# KiCad board gd rev3b.kicad_pcb (continued)
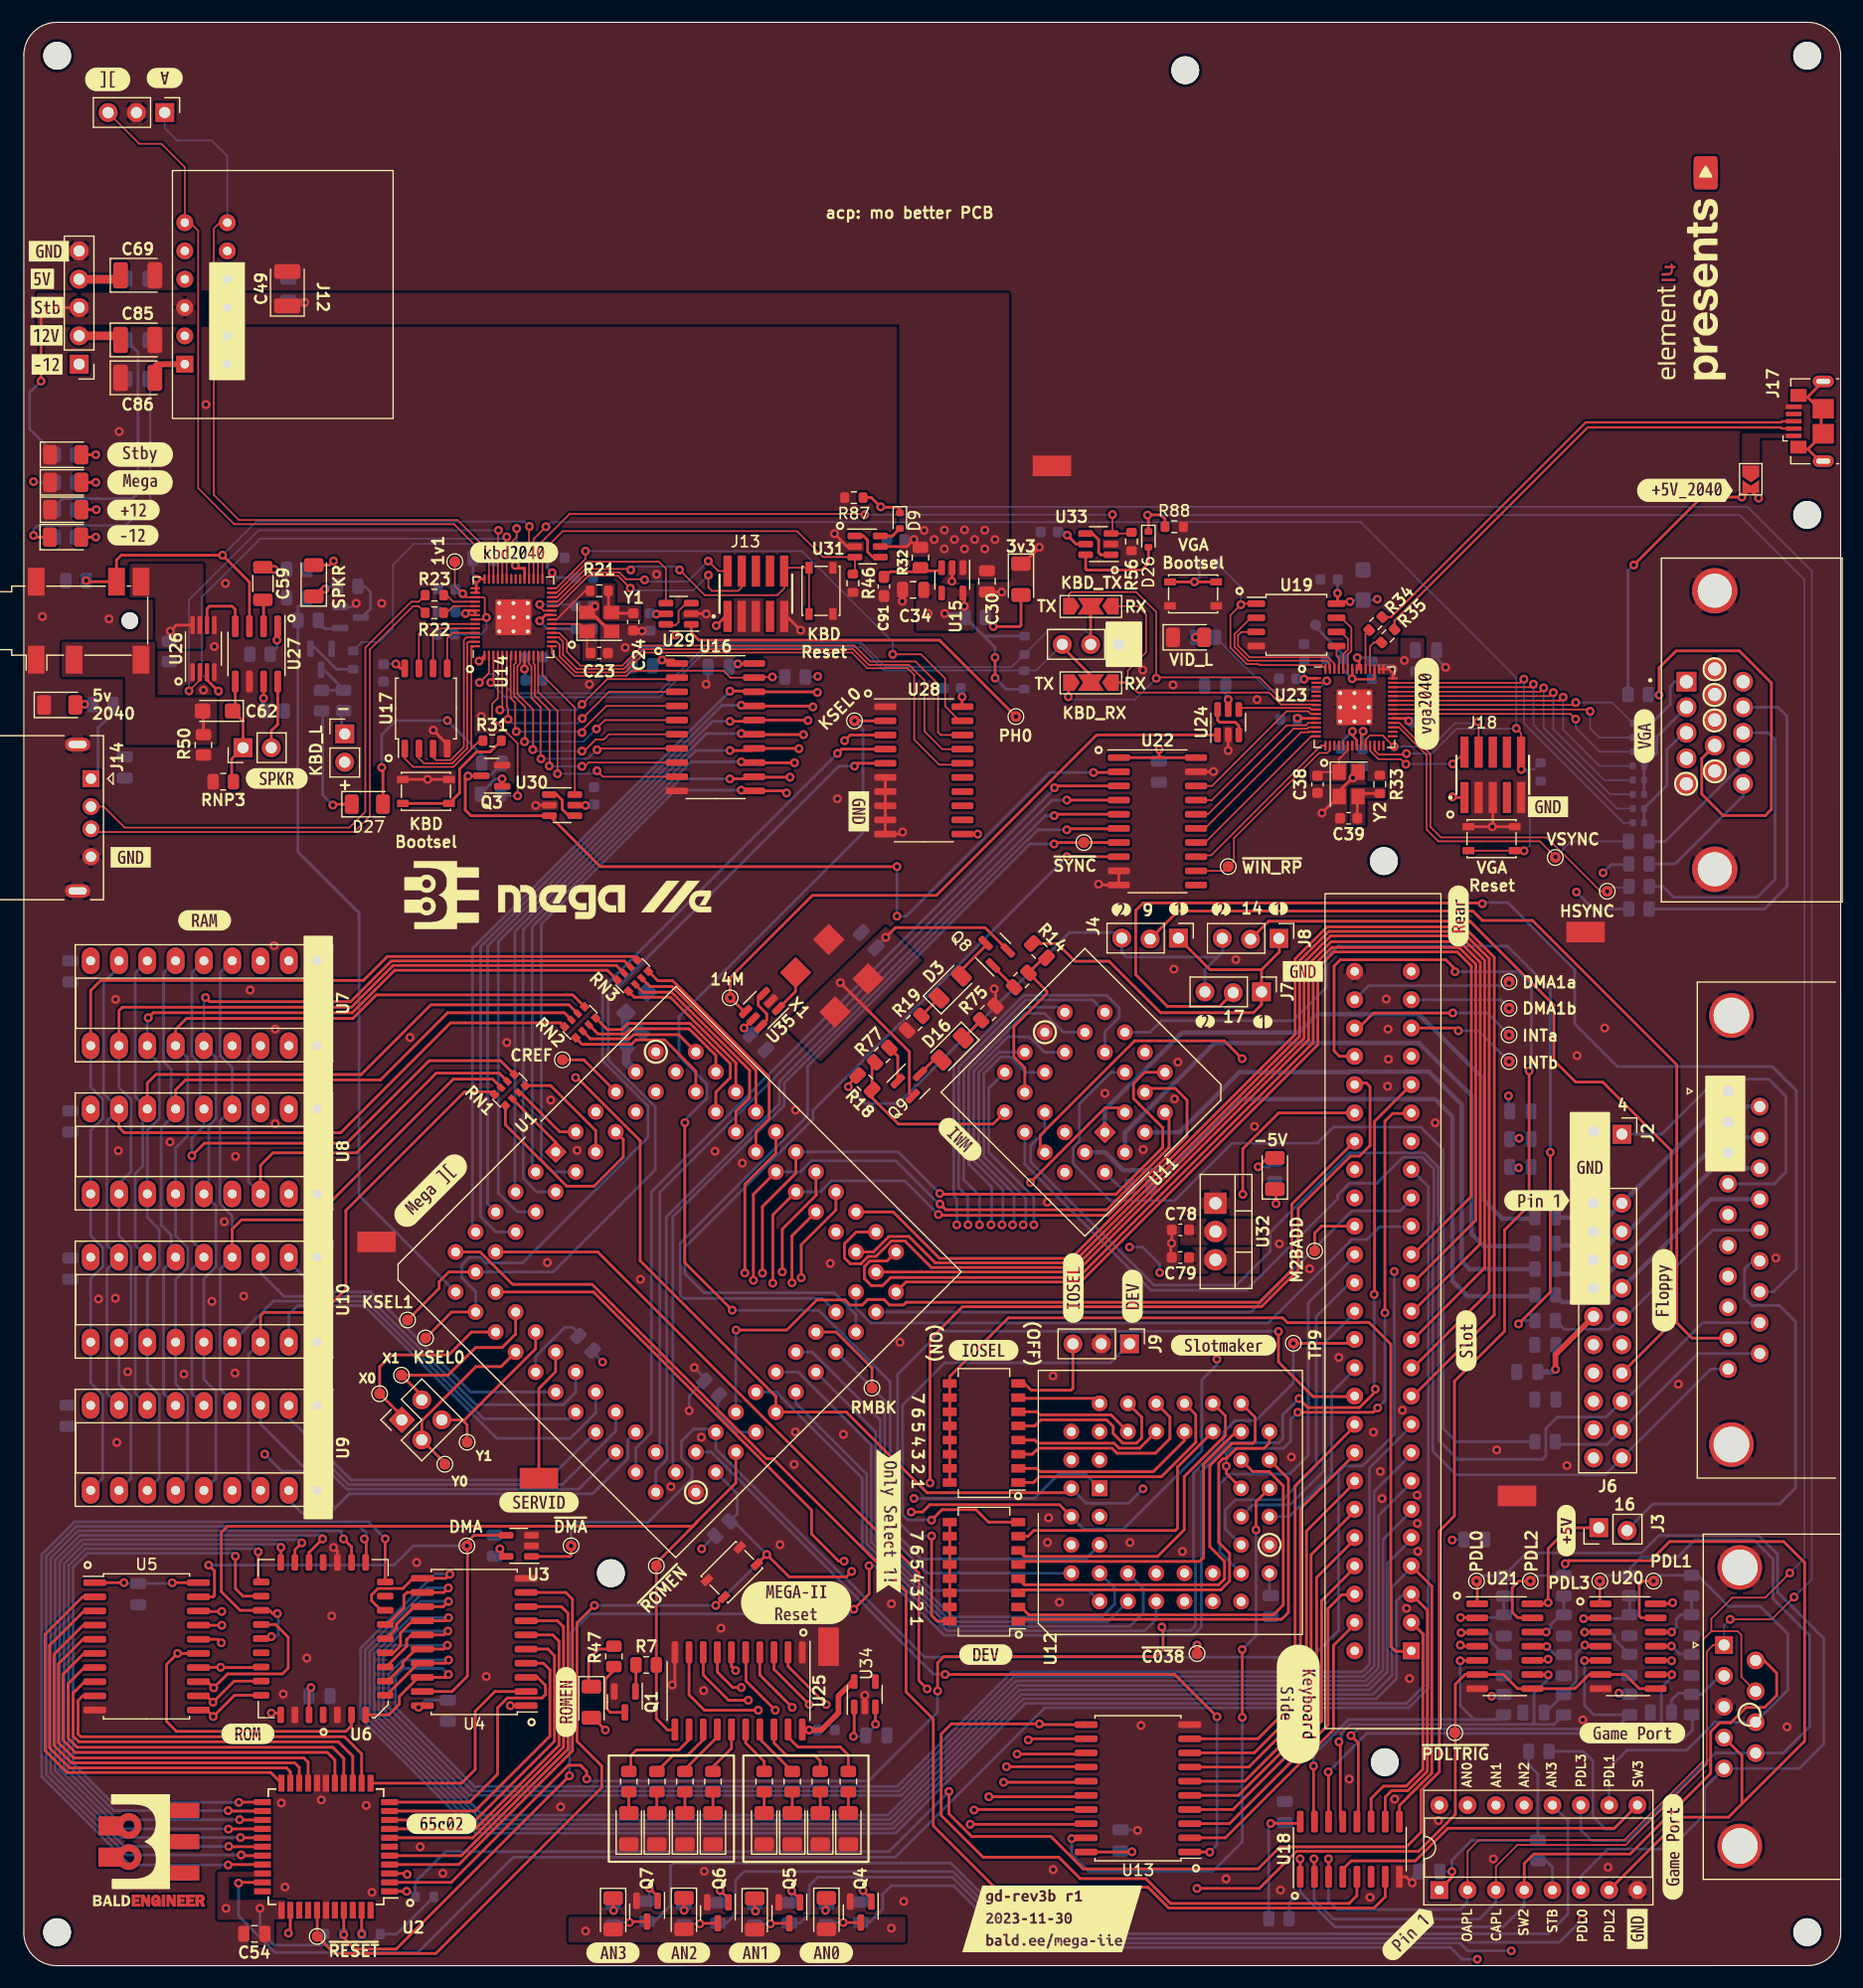
[diagram p0: board, top side]
## Placement (name value [footprint] x y rotation side) (continued)
R40  2k2  [R_0402_1005Metric]  144.87 105.1 180 bottom
R41  1k  [R_0402_1005Metric]  144.87 106.38 180 bottom
R42  470  [R_0402_1005Metric]  144.87 107.65 180 bottom
R43  2k2  [R_0402_1005Metric]  144.87 111.47 180 bottom
R44  1k  [R_0402_1005Metric]  144.87 110.2 180 bottom
R45  470  [R_0402_1005Metric]  144.87 108.93 180 bottom
R46  470  [R_0603_1608Metric]  74.39 124.05 270 top
R47  470  [R_0805_2012Metric]  52.94 27.75 270 top
R48  220  [R_0805_2012Metric]  29.07 123.76 0 bottom
R49  10k  [R_0805_2012Metric]  4.68 124.27 0 bottom
R50  150  [R_0805_2012Metric]  16.12 109.54 270 top
R51  4k7  [R_0805_2012Metric]  85.37 120.97 0 bottom
R52  4k7  [R_0805_2012Metric]  41.87 105.11 0 bottom
R53  4k7  [R_0805_2012Metric]  42 107.9 180 bottom
R54  100  [R_0805_2012Metric]  144.93 96.84 180 bottom
R55  100  [R_0805_2012Metric]  144.89 100.88 180 bottom
R56  470  [R_0603_1608Metric]  99.39 127.79 270 top
R57  4k7  [R_0805_2012Metric]  75.1 4.8 270 bottom
R58  4k7  [R_0805_2012Metric]  72.01 4.59 270 bottom
R59  1K  [R_0805_2012Metric]  144.07 23.44 270 bottom
R60  1K  [R_0805_2012Metric]  132.77 23.42 270 bottom
R61  4k7  [R_0805_2012Metric]  68.69 4.74 270 bottom
R62  100  [R_0805_2012Metric]  132.79 34.09 270 bottom
R63  100  [R_0805_2012Metric]  144.07 34.11 270 bottom
R64  4k7  [R_0805_2012Metric]  65.58 4.56 270 bottom
R65  4k7  [R_0805_2012Metric]  62.27 4.74 270 bottom
R66  4k7  [R_0805_2012Metric]  59.23 4.59 270 bottom
R67  4k7  [R_0805_2012Metric]  55.92 4.89 270 bottom
R68  1K  [R_0805_2012Metric]  149.63 23.44 270 bottom
R69  1K  [R_0805_2012Metric]  138.15 23.42 270 bottom
R70  100  [R_0805_2012Metric]  149.63 34.11 270 bottom
R71  100  [R_0805_2012Metric]  138.17 34.09 270 bottom
R72  4k7  [R_0805_2012Metric]  52.88 4.57 270 bottom
R73  1K  [R_0603_1608Metric]  106.28 125.8 0 bottom
R74  1k  [R_0805_2012Metric]  54.28 16.52 270 top
R75  1k  [R_0805_2012Metric]  86.53 85.48 225 top
R76  4k7  [R_0805_2012Metric]  89.49 88.45 225 top
R77  4k7  [R_0805_2012Metric]  77.01 81.71 45 top
R78  1k  [R_0805_2012Metric]  66.43 16.52 270 top
R79  4k7  [R_0603_1608Metric]  136.1 107.12 270 bottom
R80  1k  [R_0805_2012Metric]  28.7 113.53 90 bottom
R81  1k  [R_0805_2012Metric]  56.8 16.52 270 top
R82  1k  [R_0805_2012Metric]  68.94 16.52 270 top
R83  4k7  [R_0805_2012Metric]  112.25 71.28 90 bottom
R84  10k  [R_0603_1608Metric]  29.55 117.15 90 bottom
R85  1k  [R_0805_2012Metric]  59.32 16.52 270 top
R86  1k  [R_0805_2012Metric]  71.46 16.52 270 top
R87  100k  [R_0603_1608Metric]  74.48 131.73 180 top
R88  100k  [R_0603_1608Metric]  103.22 129.11 0 top
R89  1k  [R_0805_2012Metric]  61.83 16.52 270 top
R90  1k  [R_0805_2012Metric]  73.98 16.52 270 top
R91  1k  [R_0805_2012Metric]  26.71 113.51 90 bottom
R92  4k7  [R_0805_2012Metric]  112.61 4.22 0 bottom
R93  4k7  [R_0805_2012Metric]  135.93 19.23 0 bottom
RDNP1  4k7  [R_0603_1608Metric]  89.79 118.48 270 bottom
RDNP2  4k7  [R_0603_1608Metric]  89.76 115.37 90 bottom
REF**  -  [MountingHole_2.5mm]  104.21 170.08 0 top
Ref**  Val**  [e14presents logo 20mm silk and copper v1]  149.05 151.55 90 top
REF**#2  -  [MountingHole_2.5mm]  160.01 130.18 0 top
RN1  100  [R_Array_Convex_4x0612]  43.61 78.57 135 top
RN2  100  [R_Array_Convex_4x0612]  49.92 84.65 135 top
RN3  100  [R_Array_Convex_4x0612]  54.64 88.84 135 top
RNP1  4k7  [R_0805_2012Metric]  144.91 94.82 180 bottom
RNP2  4k7  [R_0805_2012Metric]  144.91 98.86 180 bottom
RNP3  1k  [R_0805_2012Metric]  17.9 106.24 180 top
svg2mod  G***  [BE10v2]  6.22 15.33 0 top
SW1  MEGA RESET  [SW_SPST_PTS810]  63.53 35.31 45 top
SW2  DEV  [SW_DIP_SPSTx08_Slide_Omron_A6H-8101_W6.15mm_P1.27mm]  86.15 35.36 180 top
SW3  IOSEL  [SW_DIP_SPSTx08_Slide_Omron_A6H-8101_W6.15mm_P1.27mm]  86.15 47.8 180 top
SW4  KBD RESET  [SW_SPST_PTS810]  71.52 123.36 270 top
SW5  KBD Boot Sel  [SW_SPST_PTS810]  36.08 105.36 0 top
SW6  VGA Boot Sel  [SW_SPST_PTS810]  104.91 123.09 180 top
SW7  VGA RESET  [SW_SPST_PTS810]  131.69 101.13 0 top
TP1  TestPoint  [TestPoint_Pad_D1.0mm]  141.4 34.51 180 top
TP2  TestPoint_Harwin  [TestPoint_Pad_D1.0mm]  56.75 35.88 0 top
TP3  TestPoint  [TestPoint_Pad_D1.0mm]  76.1 51.83 225 top
TP4  TestPoint  [TestPoint_Pad_D1.0mm]  133.26 88.29 90 top
TP5  TestPoint  [TestPoint_Pad_D1.0mm]  133.26 83.52 90 top
TP6  TestPoint  [TestPoint_Pad_D1.0mm]  133.26 81.14 90 top
TP7  TestPoint  [TestPoint_Pad_D1.0mm]  133.26 85.9 90 top
TP8  TestPoint  [TestPoint_Pad_D1.0mm]  115.82 64.14 90 top
TP9  TestPoint  [TestPoint_Pad_D1.0mm]  113.91 55.85 90 top
TP10  TestPoint  [TestPoint_Pad_D1.0mm]  36.05 56.32 315 top
TP11  TestPoint  [TestPoint_Pad_D1.0mm]  34.43 57.94 315 top
TP12  TestPoint  [TestPoint_Pad_D1.0mm]  31.93 51.33 315 top
TP13  TestPoint  [TestPoint_Pad_D1.0mm]  33.89 52.99 315 top
TP14  TestPoint  [TestPoint_Pad_D1.0mm]  37.78 45 315 top
TP15  TestPoint  [TestPoint_Pad_D1.0mm]  39.78 46.98 315 top
TP16  TestPoint  [TestPoint_Pad_D1.0mm]  105.27 28.01 90 top
TP17  TestPoint  [TestPoint_Pad_D1.0mm]  74.53 111.7 90 top
TP18  TestPoint  [Harwin-S1751-46-Test-Point]  46.22 43.75 0 top
TP19  TestPoint  [TestPoint_Pad_D1.0mm]  95.11 100.78 225 top
TP20  TestPoint  [TestPoint_Pad_D1.0mm]  89.01 112.08 225 top
TP21  TestPoint  [TestPoint_Pad_D1.0mm]  63.38 86.85 135 top
TP22  TestPoint_Harwin  [TestPoint_Pad_D1.0mm]  108.06 98.62 270 top
TP23  TestPoint_Harwin  [TestPoint_Pad_D1.0mm]  137.41 99.44 270 top
TP24  TestPoint_Harwin  [TestPoint_Pad_D1.0mm]  142.07 96.41 270 top
TP25  TestPoint  [TestPoint_Pad_D1.0mm]  26.33 2.63 0 top
TP26  TestPoint  [TestPoint_Pad_D1.0mm]  49.1 37.67 90 top
TP27  TestPoint  [TestPoint_Pad_D1.0mm]  39.75 37.67 90 top
TP28  TestPoint  [TestPoint_Pad_D1.0mm]  130.34 34.51 180 top
TP29  TestPoint  [TestPoint_Pad_D1.0mm]  146.23 34.51 180 top
TP30  TestPoint  [TestPoint_Pad_D1.0mm]  135.16 34.51 180 top
TP31  TestPoint  [TestPoint_Pad_D1.0mm]  128.39 20.91 180 top
TP32  TestPoint  [TestPoint_Pad_D1.0mm]  48.33 81.28 0 top
TP33  TestPoint  [TestPoint_Pad_D1.0mm]  38.67 125.98 0 top
TP34  TestPoint  [Harwin-S1751-46-Test-Point]  140.12 92.75 0 top
TP35  TestPoint  [Harwin-S1751-46-Test-Point]  31.65 64.95 0 top
TP36  TestPoint  [Harwin-S1751-46-Test-Point]  72.2 28.63 90 top
TP37  TestPoint  [Harwin-S1751-46-Test-Point]  133.97 42.15 0 top
TP38  TestPoint  [Harwin-S1751-46-Test-Point]  92.25 134.58 0 top
TP39  TestPoint  [TestPoint_Pad_D1.0mm]  115.9 120.3 180 bottom
U1  Apple_MEGA_II  [PLCC-84_THT-Socket]  47.72 73.02 45 top
U2  w65c02s  [TQFP-44_10x10mm_P0.8mm]  27.11 10.68 180 top
U3  74LVC1G02  [SOT-23-5]  44.41 37.67 180 top
U4  74HC245  [SOIC-20W_7.5x12.8mm_P1.27mm]  40.41 29.05 180 top
U5  74HC245  [SOIC-20W_7.5x12.8mm_P1.27mm]  11.01 28.66 0 top
U6  AT28C256-PLCC  [PLCC-32_11.4x14.0mm_P1.27mm]  26.86 29.35 180 top
U7  DRAM64KX4  [DIP-18_W7.62mm_Socket_LongPads]  26.32 90.17 270 top
U8  DRAM64KX4  [DIP-18_W7.62mm_Socket_LongPads]  26.32 76.87 270 top
U9  DRAM64KX4  [DIP-18_W7.62mm_Socket_LongPads]  26.32 50.27 270 top
U10  DRAM64KX4  [DIP-18_W7.62mm_Socket_LongPads]  26.32 63.57 270 top
U11  IWM  [PLCC-28_THT-Socket]  97 74.78 225 top
U12  Slotmaker  [PLCC-44_THT-Socket]  96.52 42.84 90 top
U13  74HC245  [SOIC-20W_7.5x12.8mm_P1.27mm]  99.96 15.92 180 top
U14  RP2040  [RP2040-QFN-56]  43.93 120.99 90 top
U15  MIC5504-3.3YM5  [SOT-23-5]  83.3 124.3 270 top
U16  74HC245  [SO-20_5.3x12.6mm_P1.27mm]  62.06 111.13 0 top
U17  W25Q128JVS  [SOIC-8_5.23x5.23mm_P1.27mm]  36.08 112.8 90 top
U18  HCT251  [SOIC-16_3.9x9.9mm_P1.27mm]  118.97 10.46 90 top
U19  W25Q128JVS  [SOIC-8_5.23x5.23mm_P1.27mm]  114.18 120.31 0 top
U20  NE556  [SO-14_3.9x8.65mm_P1.27mm]  143.94 28.67 0 top
U21  NE556  [SO-14_3.9x8.65mm_P1.27mm]  132.88 28.67 0 top
U22  74HCT245  [SO-20_5.3x12.6mm_P1.27mm]  101.71 102.68 0 top
U23  RP2040  [RP2040-QFN-56]  119.39 112.92 0 top
U24  74LVC2G04  [SOT-23-6]  108.06 111.57 90 top
U25  SN74LVC573ANS  [SO-20_5.3x12.6mm_P1.27mm]  64.13 24.66 270 top
U26  MCP4541T  [MSOP-8_3x3mm_P0.65mm]  16.12 118.18 90 top
U27  LM4875  [SOIC-8_3.9x4.9mm_P1.27mm]  20.88 117.7 270 top
U28  SN74LVC573ANS  [SO-20_5.3x12.6mm_P1.27mm]  80.76 107.25 0 top
U29  74LVC2G04  [SOT-23-6]  58.75 121.31 180 top
U30  74LVC2G04  [SOT-23-6]  48.3 104.13 0 top
U31  74LVC2G04-2040  [SOT-23-6]  75.71 127.34 0 top
U32  LM7905_TO220  [TO-220-3_Vertical]  106.92 68.42 270 top
U33  74LVC2G04-2040  [SOT-23-6]  96.41 127.56 180 top
U34  MIC5504-3.3YM5  [SOT-23-5]  75.45 24.36 90 top
U35  74LVC2G04  [SOT-23-6]  66.23 85.75 225 top
X1  14.31818MHz  [Oscillator_SMD_EuroQuartz_XO91-4Pin_7.0x5.0mm]  72.5 88.83 135 top
Y1  ECS-120-18-33-JEM-TR  [Crystal_SMD_3225-4Pin_3.2x2.5mm]  51.63 120.57 0 top
Y2  ECS-120-18-33-JEM-TR  [Crystal_SMD_3225-4Pin_3.2x2.5mm]  118.87 106 270 top

## Library data of the parts
C1-C3 C7-C11 C54 C58-C61 C63 C65 C75 = -: Description: Unpolarized capacitor, small symbol
C4 C6 C20-C34 C36-C43 C45 C46 C48 C50 C57 C64 C66-C68 C76 C77 C82 C91 C92 = -: Description: Unpolarized capacitor
C5 C35 C62 = -: Description: Polarized capacitor, small symbol; MPN: T520A107M006ATE035
C12-C19 C44 C47 C51-C53 C55 C56 C70-C74 C78-C81 C83 C84 = -: Description: Unpolarized capacitor, small symbol with 0805 Footprint
C49 C69 C85 C86 = -: Description: Polarized capacitor, small symbol; MFN: 20TQC100MD2
C87-C90 = -: Description: Unpolarized capacitor, small symbol; MFN: GRM21BR61E475K?A12L
D1-D8 D10-D25 D27 = -: Description: Diode, small symbol 1206
D9 D26 = -: Description: Schottky diode, small symbol; Sim.Device: D; Sim.Pins: 1=K 2=A
H1-H7 = -: Description: Mounting Hole without connection
J1 = -: Description: Generic connector, double row, 02x02, odd/even pin numbering scheme (row 1 odd numbers, row 2 even numbers), script generated (kicad-library-utils/schlib/autogen/connector/)
J2 J3 J19 J24 = -: Description: Generic connector, single row, 01x02, script generated (kicad-library-utils/schlib/autogen/connector/)
J4 J7-J9 J16 J21 = -: Description: Generic connector, single row, 01x03, script generated (kicad-library-utils/schlib/autogen/connector/)
J5 = -: Description: Generic connector, single row, 01x19, script generated (kicad-library-utils/schlib/autogen/connector/)
J6 = -: Description: Generic connector, double row, 02x10, odd/even pin numbering scheme (row 1 odd numbers, row 2 even numbers), script generated (kicad-library-utils/schlib/autogen/connector/)
J10 = -: Field4: My Libraries:Amp_2358256-4_50pos_right_angle_card; New MFN: EBC25DCWN
J11 = -: Description: Generic connector, double row, 02x08, counter clockwise pin numbering scheme (similar to DIP packge numbering), script generated (kicad-library-utils/schlib/autogen/connector/)
J12 = -: Description: Generic connector, double row, 02x06, odd/even pin numbering scheme (row 1 odd numbers, row 2 even numbers), script generated (kicad-library-utils/schlib/autogen/connector/)
J13 J18 = -: MANUFACTURER: Samtec; PARTREV: H; STANDARD: Manufacturer Recommendation
J14 = -: Description: USB Type A connector; MPN: USB1125-GF-B; SPN: 86AH2018
J15 = -: Description: Generic connector, single row, 01x05, script generated (kicad-library-utils/schlib/autogen/connector/)
J17 = -: Description: USB Micro Type B connector
J20 = -: MFG: Tensility International Corp; MPN: 54-00178
J22 = -: Description: 15-pin female D-SUB connector, High density (3 columns), Triple Row, Generic, VGA-connector, Mounting Hole
J23 = -: Description: 9-pin female D-SUB connector, Mounting Hole
JP1 = -: Description: Jumper, 3-pole, both open; Field4: 3; Field5: 1
JP2 = -: Description: Jumper, 3-pole, both open; Field4: 1; Field5: 3
JP3 = -: Description: Jumper, 2-pole, open
Q1 Q2 Q4-Q7 Q10 = -: Description: NPN transistor, base/emitter/collector
Q3 = -: Description: 0.8A Ic, 45V Vce, NPN Transistor, SOT-23
Q8 Q9 = -: Description: -0.2A Ic, -40V Vce, Small Signal PNP Transistor, SOT-23
R1-R20 R24-R30 R32 R36 R37 R47-R55 R57-R72 R74-R78 R80-R86 R89-R93 RNP1-RNP3 = -: Description: Resistor, small symbol with 0805 Package
R21-R23 R31 R33-R35 R38-R45 R73 = -: Description: Resistor
R46 R56 R79 R87 R88 RDNP1 RDNP2 = -: Description: Resistor, small symbol
RN1-RN3 = -: Description: 4 resistor network, parallel topology; MFN: EXB-38V101JV
SW1 SW4-SW7 = -: Description: Push button switch, generic, two pins
SW2 SW3 = -: Description: 8x DIP Switch, Single Pole Single Throw (SPST) switch, small symbol; SPN: 11N5429; Supplier: Newark
TP1-TP39 = -: Description: test point
U1 = -: MFN: 940-44-084-24-000000; SPN: 84K7212; Supplier: Newark US
U2 = -: Description: pinout for the 44pin QFP
U3 = -: Description: Single NOR Gate, Low-Voltage CMOS; MFN: SN74LVC1G02DBVT
U4 U5 U13 = -: Description: Octal Bus Transceiver (aka 74LS245)
U6 = -: Description: EEPROM 256 KiBit
U15 U34 = -: Description: 300mA Low-dropout Voltage Regulator, Vout 3.3V, Vin up to 5.5V, SOT-23
U16 U22 = -: Description: Octal BUS Transceivers, 3-State outputs
U17 U19 = -: Description: 128Mb Serial Flash Memory, Standard/Dual/Quad SPI, SOIC-8; MFN: W25Q128JVSIM TR; SPN: W25Q128JVSIMTR-ND
U18 = -: MPN: 74HCT251D,652; SPN: 85X2828
U20 = -: Description: Dual Precision Timers, DIP-14/SOIC-14; SPN: 32AH8454
U21 = -: Description: Dual Precision Timers, DIP-14/SOIC-14
U24 U29-U31 U33 U35 = -: Description: Dual NOT Gate, Low-Voltage CMOS
U25 U28 = -: Description: 8-bit Latch 3-state outputs
U32 = -: Description: Negative 1A 35V Linear Regulator, Fixed Output 5V, TO-220
X1 = -: Description: HCMOS Clock Oscillator; MPN: MCSJK-6NC1-14.31818-25-B; SPN: 56AC8675
Y1 Y2 = -: Description: Four pin crystal, GND on pins 2 and 4; Old PN: ABLS-12.000MHZ-B4-T

## Footprints (pads in the part's own frame, mm; a bottom-side part is the same pattern mirrored in y, then rotated)
AMPHENOL_L77HDE15SD1CH4F
  round 4.066 hole 3.05: 0(-12.495,0) 0(12.495,0)
  rect 1.785x1.785 hole 1.19: 1(4.33,2.54)
  round 1.785 hole 1.19: 2(2.04,2.54) 3(-0.25,2.54) 4(-2.54,2.54) 5(-4.83,2.54) 6(5.475,0) 7(3.185,0) 8(0.895,0) 9(-1.395,0) 10(-3.685,0) 11(4.33,-2.54) 12(2.04,-2.54) 13(-0.25,-2.54) 14(-2.54,-2.54) 15(-4.83,-2.54)
C_0603_1608Metric
  rrect 0.9x0.95 smd: 1(-0.775,0) 2(0.775,0)
C_0603_1608Metric_Pad1.08x0.95mm_HandSolder
  rrect 1.075x0.95 smd: 1(-0.863,0) 2(0.863,0)
C_0805_2012Metric
  rrect 1x1.45 smd: 1(-0.95,0) 2(0.95,0)
C_0805_2012Metric_Pad1.18x1.45mm_HandSolder
  rrect 1.175x1.45 smd: 1(-1.038,0) 2(1.038,0)
CP_EIA-3216-18_Kemet-A
  rrect 1.4x1.35 smd: 1(-1.35,0) 2(1.35,0)
CP_EIA-3528-21_Kemet-B
  rrect 1.325x2.35 smd: 1(-1.538,0) 2(1.538,0)
Crystal_SMD_3225-4Pin_3.2x2.5mm
  rect 1.4x1.2 smd: 1(-1.1,-0.85) 2(1.1,-0.85) 3(1.1,0.85) 4(-1.1,0.85)
D_SOD-523
  rrect 0.6x0.7 smd: 1(-0.7,0) 2(0.7,0)
DIP-16_W7.62mm_Socket
  rect 1.6x1.6 hole 0.8: 1(0,0)
  oval 1.6x1.6 hole 0.8: 2(0,-2.54) 3(0,-5.08) 4(0,-7.62) 5(0,-10.16) 6(0,-12.7) 7(0,-15.24) 8(0,-17.78) 9(7.62,-17.78) 10(7.62,-15.24) 11(7.62,-12.7) 12(7.62,-10.16) 13(7.62,-7.62) 14(7.62,-5.08) 15(7.62,-2.54) 16(7.62,0)
DIP-18_W7.62mm_Socket_LongPads
  rect 2.4x1.6 hole 0.8: 1(0,0)
  oval 2.4x1.6 hole 0.8: 2(0,-2.54) 3(0,-5.08) 4(0,-7.62) 5(0,-10.16) 6(0,-12.7) 7(0,-15.24) 8(0,-17.78) 9(0,-20.32) 10(7.62,-20.32) 11(7.62,-17.78) 12(7.62,-15.24) 13(7.62,-12.7) 14(7.62,-10.16) 15(7.62,-7.62) 16(7.62,-5.08) 17(7.62,-2.54) 18(7.62,0)
DSUB-9_Female_Horizontal_P2.77x2.84mm_EdgePinOffset7.70mm_Housed_MountingHolesOffset9.12mm
  round 4 hole 3.2: 0(-18.04,-1.42) 0(6.96,-1.42)
  rect 1.6x1.6 hole 1: 1(0,0)
  round 1.6 hole 1: 2(-2.77,0) 3(-5.54,0) 4(-8.31,0) 5(-11.08,0) 6(-1.385,-2.84) 7(-4.155,-2.84) 8(-6.925,-2.84) 9(-9.695,-2.84)
DSUB-19_Apple_II_Floppy
  round 4 hole 3.2: 0(-31.715,-0.3) 0(6.785,-0.3)
  rect 1.6x1.6 hole 1: 1(0,0)
  round 1.6 hole 1: 2(-2.77,0) 3(-5.54,0) 4(-8.31,0) 5(-11.08,0) 6(-13.85,0) 7(-16.62,0) 8(-19.39,0) 9(-22.16,0) 10(-24.93,0) 11(-1.385,-2.84) 12(-4.155,-2.84) 13(-6.925,-2.84) 14(-9.695,-2.84) 15(-12.465,-2.84) 16(-15.235,-2.84) 17(-18.005,-2.84) 18(-20.775,-2.84) 19(-23.545,-2.84)
Harwin-S1751-46-Test-Point
  rect 3.45x1.85 smd: 1(0,0)
Jack_3.5mm_tensility_54-00177
  round 1.5 hole 1.5 unplated: (0,-3.7)
  rect 2.5x1.5 smd: 2(-3.5,4.7) 2(3.5,4.7) 3(-3.5,1.3) 4(-3.5,-4.7) 5(3.5,-4.7) 6(3.5,-2.5)
LED_1206_3216Metric
  rrect 1.25x1.75 smd: 1(-1.4,0) 2(1.4,0)
MountingHole_2.5mm
  round 2.5 hole 2.5 unplated: (0,0)
MSOP-8_3x3mm_P0.65mm
  rrect 1.625x0.4 smd: 1(-2.112,0.975) 2(-2.112,0.325) 3(-2.112,-0.325) 4(-2.112,-0.975) 5(2.112,-0.975) 6(2.112,-0.325) 7(2.112,0.325) 8(2.112,0.975)
Oscillator_SMD_EuroQuartz_XO91-4Pin_7.0x5.0mm
  rect 2x2 smd: 1(-2.5,-2.1) 2(2.5,-2.1) 3(2.5,2.1) 4(-2.5,2.1)
PinHeader_1x02_P2.54mm_Vertical
  rect 1.7x1.7 hole 1: 1(0,0)
  oval 1.7x1.7 hole 1: 2(0,-2.54)
PinHeader_1x02_P2.54mm_Vertical-LOCK
  rect 1.7x1.7 hole 1: 1(0.127,0)
  oval 1.7x1.7 hole 1: 2(-0.127,-2.54)
PinHeader_1x03_P2.54mm_Vertical
  rect 1.7x1.7 hole 1: 1(0,0)
  oval 1.7x1.7 hole 1: 2(0,-2.54) 3(0,-5.08)
PinHeader_1x03_P2.54mm_Vertical-LOCK
  rect 1.7x1.7 hole 1: 1(0,0)
  oval 1.7x1.7 hole 1: 2(0.076,-2.54) 3(0,-5.08)
PinHeader_1x05_P2.54mm_Vertical
  rect 1.7x1.7 hole 1: 1(0,0)
  oval 1.7x1.7 hole 1: 2(0,-2.54) 3(0,-5.08) 4(0,-7.62) 5(0,-10.16)
PinHeader_2x02_P2.54mm_Vertical
  rect 1.7x1.7 hole 1: 1(0,0)
  oval 1.7x1.7 hole 1: 2(2.54,0) 3(0,-2.54) 4(2.54,-2.54)
PinHeader_2x10_P2.54mm_Vertical
  rect 1.7x1.7 hole 1: 1(0,0)
  oval 1.7x1.7 hole 1: 2(2.54,0) 3(0,-2.54) 4(2.54,-2.54) 5(0,-5.08) 6(2.54,-5.08) 7(0,-7.62) 8(2.54,-7.62) 9(0,-10.16) 10(2.54,-10.16) 11(0,-12.7) 12(2.54,-12.7) 13(0,-15.24) 14(2.54,-15.24) 15(0,-17.78) 16(2.54,-17.78) 17(0,-20.32) 18(2.54,-20.32) 19(0,-22.86) 20(2.54,-22.86)
PLCC-28_THT-Socket
  rect 1.422x1.422 hole 0.8: 1(0,0)
  round 1.422 hole 0.8: 2(-2.54,2.54) 3(-2.54,0) 4(-5.08,2.54) 5(-7.62,0) 6(-5.08,0) 7(-7.62,-2.54) 8(-5.08,-2.54) 9(-7.62,-5.08) 10(-5.08,-5.08) 11(-7.62,-7.62) 12(-5.08,-10.16) 13(-5.08,-7.62) 14(-2.54,-10.16) 15(-2.54,-7.62) 16(0,-10.16) 17(0,-7.62) 18(2.54,-10.16) 19(5.08,-7.62) 20(2.54,-7.62) 21(5.08,-5.08) 22(2.54,-5.08) 23(5.08,-2.54) 24(2.54,-2.54) 25(5.08,0) 26(2.54,2.54) 27(2.54,0) 28(0,2.54)
PLCC-32_11.4x14.0mm_P1.27mm
  rrect 0.6x1.475 smd: 1(0,6.838) 2(-1.27,6.838) 3(-2.54,6.838) 4(-3.81,6.838) 14(-3.81,-6.838) 15(-2.54,-6.838) 16(-1.27,-6.838) 17(0,-6.838) 18(1.27,-6.838) 19(2.54,-6.838) 20(3.81,-6.838) 30(3.81,6.838) 31(2.54,6.838) 32(1.27,6.838)
  rrect 1.475x0.6 smd: 5(-5.562,5.08) 6(-5.562,3.81) 7(-5.562,2.54) 8(-5.562,1.27) 9(-5.562,0) 10(-5.562,-1.27) 11(-5.562,-2.54) 12(-5.562,-3.81) 13(-5.562,-5.08) 21(5.562,-5.08) 22(5.562,-3.81) 23(5.562,-2.54) 24(5.562,-1.27) 25(5.562,0) 26(5.562,1.27) 27(5.562,2.54) 28(5.562,3.81) 29(5.562,5.08)
PLCC-44_THT-Socket
  rect 1.422x1.422 hole 0.8: 1(0,0)
  round 1.422 hole 0.8: 2(-2.54,2.54) 3(-2.54,0) 4(-5.08,2.54) 5(-5.08,0) 6(-7.62,2.54) 7(-10.16,0) 8(-7.62,0) 9(-10.16,-2.54) 10(-7.62,-2.54) 11(-10.16,-5.08) 12(-7.62,-5.08) 13(-10.16,-7.62) 14(-7.62,-7.62) 15(-10.16,-10.16) 16(-7.62,-10.16) 17(-10.16,-12.7) 18(-7.62,-15.24) 19(-7.62,-12.7) 20(-5.08,-15.24) 21(-5.08,-12.7) 22(-2.54,-15.24) 23(-2.54,-12.7) 24(0,-15.24) 25(0,-12.7) 26(2.54,-15.24) 27(2.54,-12.7) 28(5.08,-15.24) 29(7.62,-12.7) 30(5.08,-12.7) 31(7.62,-10.16) 32(5.08,-10.16) 33(7.62,-7.62) 34(5.08,-7.62) 35(7.62,-5.08) 36(5.08,-5.08) 37(7.62,-2.54) 38(5.08,-2.54) 39(7.62,0) 40(5.08,2.54) 41(5.08,0) 42(2.54,2.54) 43(2.54,0) 44(0,2.54)
PLCC-84_THT-Socket
  rect 1.422x1.422 hole 0.8: 1(0,0)
  round 1.422 hole 0.8: 2(0,-2.54) 3(-2.54,0) 4(-2.54,-2.54) 5(-5.08,0) 6(-5.08,-2.54) 7(-7.62,0) 8(-7.62,-2.54) 9(-10.16,0) 10(-10.16,-2.54) 11(-12.7,0) 12(-15.24,-2.54) 13(-12.7,-2.54) 14(-15.24,-5.08) 15(-12.7,-5.08) 16(-15.24,-7.62) 17(-12.7,-7.62) 18(-15.24,-10.16) 19(-12.7,-10.16) 20(-15.24,-12.7) 21(-12.7,-12.7) 22(-15.24,-15.24) 23(-12.7,-15.24) 24(-15.24,-17.78) 25(-12.7,-17.78) 26(-15.24,-20.32) 27(-12.7,-20.32) 28(-15.24,-22.86) 29(-12.7,-22.86) 30(-15.24,-25.4) 31(-12.7,-25.4) 32(-15.24,-27.94) 33(-12.7,-30.48) 34(-12.7,-27.94) 35(-10.16,-30.48) 36(-10.16,-27.94) 37(-7.62,-30.48) 38(-7.62,-27.94) 39(-5.08,-30.48) 40(-5.08,-27.94) 41(-2.54,-30.48) 42(-2.54,-27.94) 43(0,-30.48) 44(0,-27.94) 45(2.54,-30.48) 46(2.54,-27.94) 47(5.08,-30.48) 48(5.08,-27.94) 49(7.62,-30.48) 50(7.62,-27.94) 51(10.16,-30.48) 52(10.16,-27.94) 53(12.7,-30.48) 54(15.24,-27.94) 55(12.7,-27.94) 56(15.24,-25.4) 57(12.7,-25.4) 58(15.24,-22.86) 59(12.7,-22.86) 60(15.24,-20.32) 61(12.7,-20.32) 62(15.24,-17.78) 63(12.7,-17.78) 64(15.24,-15.24) 65(12.7,-15.24) 66(15.24,-12.7) 67(12.7,-12.7) 68(15.24,-10.16) 69(12.7,-10.16) 70(15.24,-7.62) 71(12.7,-7.62) 72(15.24,-5.08) 73(12.7,-5.08) 74(15.24,-2.54) 75(12.7,0) 76(12.7,-2.54) 77(10.16,0) 78(10.16,-2.54) 79(7.62,0) 80(7.62,-2.54) 81(5.08,0) 82(5.08,-2.54) 83(2.54,0) 84(2.54,-2.54)
R_0402_1005Metric
  rrect 0.54x0.64 smd: 1(-0.51,0) 2(0.51,0)
R_0603_1608Metric
  rrect 0.8x0.95 smd: 1(-0.825,0) 2(0.825,0)
R_0805_2012Metric
  rrect 1.025x1.4 smd: 1(-0.912,0) 2(0.912,0)
R_1206_3216Metric
  rrect 1.125x1.75 smd: 1(-1.462,0) 2(1.462,0)
R_Array_Convex_4x0612
  rect 0.7x0.64 smd: 1(-0.7,1.27) 4(-0.7,-1.27) 5(0.7,-1.27) 8(0.7,1.27)
  rect 0.7x0.5 smd: 2(-0.7,0.4) 3(-0.7,-0.4) 6(0.7,-0.4) 7(0.7,0.4)
RP2040-QFN-56
  rrect 1.084x1.084 smd: (-0.637,0.637) (-0.637,-0.637) (0.637,0.637) (0.637,-0.637)
  rrect 0.875x0.2 smd: 1(-3.438,2.6) 2(-3.438,2.2) 3(-3.438,1.8) 4(-3.438,1.4) 5(-3.438,1) 6(-3.438,0.6) 7(-3.438,0.2) 8(-3.438,-0.2) 9(-3.438,-0.6) 10(-3.438,-1) 11(-3.438,-1.4) 12(-3.438,-1.8) 13(-3.438,-2.2) 14(-3.438,-2.6) 29(3.438,-2.6) 30(3.438,-2.2) 31(3.438,-1.8) 32(3.438,-1.4) 33(3.438,-1) 34(3.438,-0.6) 35(3.438,-0.2) 36(3.438,0.2) 37(3.438,0.6) 38(3.438,1) 39(3.438,1.4) 40(3.438,1.8) 41(3.438,2.2) 42(3.438,2.6)
  rrect 0.2x0.875 smd: 15(-2.6,-3.438) 16(-2.2,-3.438) 17(-1.8,-3.438) 18(-1.4,-3.438) 19(-1,-3.438) 20(-0.6,-3.438) 21(-0.2,-3.438) 22(0.2,-3.438) 23(0.6,-3.438) 24(1,-3.438) 25(1.4,-3.438) 26(1.8,-3.438) 27(2.2,-3.438) 28(2.6,-3.438) 43(2.6,3.438) 44(2.2,3.438) 45(1.8,3.438) 46(1.4,3.438) 47(1,3.438) 48(0.6,3.438) 49(0.2,3.438) 50(-0.2,3.438) 51(-0.6,3.438) 52(-1,3.438) 53(-1.4,3.438) 54(-1.8,3.438) 55(-2.2,3.438) 56(-2.6,3.438)
  round 0.6 hole 0.35: 57(-1.275,1.275) 57(-1.275,0) 57(-1.275,-1.275) 57(0,1.275) 57(0,0) 57(0,-1.275) 57(1.275,1.275) 57(1.275,0) 57(1.275,-1.275)
  rrect 3.2x3.2 smd: 57(0,0)
SAMTEC_FTSH-105-XX-X-DV
  rect 0.74x2.79 smd: 01(-2.54,-2.035) 02(-2.54,2.035) 03(-1.27,-2.035) 04(-1.27,2.035) 05(0,-2.035) 06(0,2.035) 07(1.27,-2.035) 08(1.27,2.035) 09(2.54,-2.035) 10(2.54,2.035)
SO-14_3.9x8.65mm_P1.27mm
  rrect 1.95x0.6 smd: 1(-2.475,3.81) 2(-2.475,2.54) 3(-2.475,1.27) 4(-2.475,0) 5(-2.475,-1.27) 6(-2.475,-2.54) 7(-2.475,-3.81) 8(2.475,-3.81) 9(2.475,-2.54) 10(2.475,-1.27) 11(2.475,0) 12(2.475,1.27) 13(2.475,2.54) 14(2.475,3.81)
SO-20_5.3x12.6mm_P1.27mm
  rrect 1.975x0.6 smd: 1(-3.462,5.715) 2(-3.462,4.445) 3(-3.462,3.175) 4(-3.462,1.905) 5(-3.462,0.635) 6(-3.462,-0.635) 7(-3.462,-1.905) 8(-3.462,-3.175) 9(-3.462,-4.445) 10(-3.462,-5.715) 11(3.462,-5.715) 12(3.462,-4.445) 13(3.462,-3.175) 14(3.462,-1.905) 15(3.462,-0.635) 16(3.462,0.635) 17(3.462,1.905) 18(3.462,3.175) 19(3.462,4.445) 20(3.462,5.715)
SOIC-8_3.9x4.9mm_P1.27mm
  rrect 1.95x0.6 smd: 1(-2.475,1.905) 2(-2.475,0.635) 3(-2.475,-0.635) 4(-2.475,-1.905) 5(2.475,-1.905) 6(2.475,-0.635) 7(2.475,0.635) 8(2.475,1.905)
SOIC-8_5.23x5.23mm_P1.27mm
  rrect 1.6x0.6 smd: 1(-3.6,1.905) 2(-3.6,0.635) 3(-3.6,-0.635) 4(-3.6,-1.905) 5(3.6,-1.905) 6(3.6,-0.635) 7(3.6,0.635) 8(3.6,1.905)
SOIC-16_3.9x9.9mm_P1.27mm
  rrect 1.95x0.6 smd: 1(-2.475,4.445) 2(-2.475,3.175) 3(-2.475,1.905) 4(-2.475,0.635) 5(-2.475,-0.635) 6(-2.475,-1.905) 7(-2.475,-3.175) 8(-2.475,-4.445) 9(2.475,-4.445) 10(2.475,-3.175) 11(2.475,-1.905) 12(2.475,-0.635) 13(2.475,0.635) 14(2.475,1.905) 15(2.475,3.175) 16(2.475,4.445)
SOIC-20W_7.5x12.8mm_P1.27mm
  rrect 2.05x0.6 smd: 1(-4.65,5.715) 2(-4.65,4.445) 3(-4.65,3.175) 4(-4.65,1.905) 5(-4.65,0.635) 6(-4.65,-0.635) 7(-4.65,-1.905) 8(-4.65,-3.175) 9(-4.65,-4.445) 10(-4.65,-5.715) 11(4.65,-5.715) 12(4.65,-4.445) 13(4.65,-3.175) 14(4.65,-1.905) 15(4.65,-0.635) 16(4.65,0.635) 17(4.65,1.905) 18(4.65,3.175) 19(4.65,4.445) 20(4.65,5.715)
SolderJumper-2_P1.3mm_Open_TrianglePad1.0x1.5mm
  custom 1.5x1.5 smd: 1(-0.725,0)
  custom 1.15x1.5 smd: 2(0.725,0)
SolderJumper-3_P2.0mm_Open_TrianglePad1.0x1.5mm_NumberLabels
  rect 1.5x1.5 smd: (-1.2,0) (1.2,0)
  custom 1.5x1.5 smd: 1(-2,0) 3(2,0)
  custom 2.4x1.5 smd: 2(0,0)
SOT-23
  rrect 1.475x0.6 smd: 1(-0.938,0.95) 2(-0.938,-0.95) 3(0.938,0)
SOT-23-5
  rrect 1.325x0.6 smd: 1(-1.137,0.95) 2(-1.137,0) 3(-1.137,-0.95) 4(1.137,-0.95) 5(1.137,0.95)
SOT-23-6
  rrect 1.325x0.6 smd: 1(-1.137,0.95) 2(-1.137,0) 3(-1.137,-0.95) 4(1.137,-0.95) 5(1.137,0) 6(1.137,0.95)
Sullins-EBC25DCWN-Edge Socket 50 pos (25x2) 0.100
  rect 1.524x1.524 hole 0.762: 1(-30.48,-2.54)
  round 1.524 hole 0.762: 2(-27.94,-2.54) 3(-25.4,-2.54) 4(-22.86,-2.54) 5(-20.32,-2.54) 6(-17.78,-2.54) 7(-15.24,-2.54) 8(-12.7,-2.54) 9(-10.16,-2.54) 10(-7.62,-2.54) 11(-5.08,-2.54) 12(-2.54,-2.54) 13(0,-2.54) 14(2.54,-2.54) 15(5.08,-2.54) 16(7.62,-2.54) 17(10.16,-2.54) 18(12.7,-2.54) 19(15.24,-2.54) 20(17.78,-2.54) 21(20.32,-2.54) 22(22.86,-2.54) 23(25.4,-2.54) 24(27.94,-2.54) 25(30.48,-2.54) 26(30.48,2.54) 27(27.94,2.54) 28(25.4,2.54) 29(22.86,2.54) 30(20.32,2.54) 31(17.78,2.54) 32(15.24,2.54) 33(12.7,2.54) 34(10.16,2.54) 35(7.62,2.54) 36(5.08,2.54) 37(2.54,2.54) 38(0,2.54) 39(-2.54,2.54) 40(-5.08,2.54) 41(-7.62,2.54) 42(-10.16,2.54) 43(-12.7,2.54) 44(-15.24,2.54) 45(-17.78,2.54) 46(-20.32,2.54) 47(-22.86,2.54) 48(-25.4,2.54) 49(-27.94,2.54) 50(-30.48,2.54)
SW_DIP_SPSTx08_Slide_Omron_A6H-8101_W6.15mm_P1.27mm
  rect 1.25x0.76 smd: 1(-3.075,4.445) 2(-3.075,3.175) 3(-3.075,1.905) 4(-3.075,0.635) 5(-3.075,-0.635) 6(-3.075,-1.905) 7(-3.075,-3.175) 8(-3.075,-4.445) 9(3.075,-4.445) 10(3.075,-3.175) 11(3.075,-1.905) 12(3.075,-0.635) 13(3.075,0.635) 14(3.075,1.905) 15(3.075,3.175) 16(3.075,4.445)
SW_SPST_PTS810
  rect 1.05x0.65 smd: 1(-2.075,1.075) 1(2.075,1.075) 2(-2.075,-1.075) 2(2.075,-1.075)
TE 5650118-3 Right Angle 12 Pos Socket
  rect 1.524x1.524 hole 0.762: 1(6.225,-9.05)
  round 1.524 hole 0.762: 2(6.225,-5.24) 3(3.685,-9.05) 4(3.685,-5.24) 5(1.145,-9.05) 6(1.145,-5.24) 7(-1.395,-9.05) 8(-1.395,-5.24) 9(-3.935,-9.05) 10(-3.935,-5.24) 11(-6.475,-9.05) 12(-6.475,-5.24)
TestPoint_Pad_D1.0mm
  round 1 smd: 1(0,0)
TO-220-3_Vertical
  rect 1.905x2 hole 1.1: 1(0,0)
  oval 1.905x2 hole 1.1: 2(2.54,0) 3(5.08,0)
TQFP-44_10x10mm_P0.8mm
  rect 1.5x0.55 smd: 1(-5.7,4) 2(-5.7,3.2) 3(-5.7,2.4) 4(-5.7,1.6) 5(-5.7,0.8) 6(-5.7,0) 7(-5.7,-0.8) 8(-5.7,-1.6) 9(-5.7,-2.4) 10(-5.7,-3.2) 11(-5.7,-4) 23(5.7,-4) 24(5.7,-3.2) 25(5.7,-2.4) 26(5.7,-1.6) 27(5.7,-0.8) 28(5.7,0) 29(5.7,0.8) 30(5.7,1.6) 31(5.7,2.4) 32(5.7,3.2) 33(5.7,4)
  rect 0.55x1.5 smd: 12(-4,-5.7) 13(-3.2,-5.7) 14(-2.4,-5.7) 15(-1.6,-5.7) 16(-0.8,-5.7) 17(0,-5.7) 18(0.8,-5.7) 19(1.6,-5.7) 20(2.4,-5.7) 21(3.2,-5.7) 22(4,-5.7) 34(4,5.7) 35(3.2,5.7) 36(2.4,5.7) 37(1.6,5.7) 38(0.8,5.7) 39(0,5.7) 40(-0.8,5.7) 41(-1.6,5.7) 42(-2.4,5.7) 43(-3.2,5.7) 44(-4,5.7)
USB_A_GCT_USB1125
  rect 1.524x1.524 hole 0.92: 1(0,0)
  round 1.524 hole 0.92: 2(2.5,0) 3(4.5,0) 4(7,0)
  oval 1.2x2.25 hole 0.65x1.65: 5(-3.07,-1.2) 5(10.07,-1.2)
USB_Micro-B_GCT_USB3076-30-A
  rect 0.4x1.4 smd: 1(-1.3,1.45) 2(-0.65,1.45) 3(0,1.45) 4(0.65,1.45) 5(1.3,1.45)
  oval 1.05x1.9 hole 0.45x1.25: 6(-3.575,-1.2) 6(3.575,-1.2)
  rect 1.15x1.45 smd: 6(-2.32,1.03) 6(2.32,1.03)
  rect 1.75x1.9 smd: 6(-1.125,-1.2) 6(1.125,-1.2)

## Nets
+1V1: C20.1 C21.1 C22.1 TP33.1 U14.23 U14.45 U14.50
+1V2: C42.1 C43.1 TP39.1 U23.23 U23.45 U23.50
+3V3: C25.1 C26.1 C27.1 C28.1 C29.1 C31.1 C32.1 C33.1 C34.1 C35.1 C37.1 C40.1 C44.1 C45.1 C46.1 C48.1 C50.1 C51.1 C64.1 C66.1 C67.1 C68.1 C76.1 C77.1 C82.1 J13.01 J18.01 R51.1 RDNP1.1 RDNP2.1 RNP1.2 RNP2.2 U14.1 U14.10 U14.22 U14.33 U14.42 U14.43 U14.44 U14.48 U14.49 U15.5 U17.8 U19.8 U22.1 U22.20 U23.1 U23.10 U23.22 U23.33 U23.42 U23.43 U23.44 U23.48 U23.49 U24.5 U28.20 U29.5 U30.5
+3V3_Decoder: C65.1 U25.20 U34.5
+5V: C1.1 C2.1 C3.1 C4.1 C5.1 C7.1 C8.1 C9.1 C10.1 C11.1 C12.1 C15.1 C16.1 C18.1 C54.1 C55.1 C63.1 C69.1 C75.1 C80.1 C81.1 C83.1 C84.1 C88.1 C92.1 D1.2 D12.2 D13.2 D14.2 D15.2 J3.1 J5.6 J6.11 J6.12 J10.25 J11.1 J12.7 J15.4 J23.2 Q8.2 Q9.2 R1.1 R2.1 R3.1 R4.1 R5.1 R20.1 R29.1 R59.1 R60.1 R68.1 R69.1 R92.1 R93.1 U1.77 U2.3 U2.31 U2.34 U3.5 U4.1 U4.20 U5.1 U5.20 U6.32 U7.9 U8.9 U9.9 U10.9 U11.26 U12.18 U13.20 U18.16 U20.4 U20.10 U20.14 U21.4 U21.10 U21.14 U34.1 U34.3 U35.5 X1.1 X1.4
+5V_2040: C6.1 C30.1 C36.1 C41.1 C49.1 C57.1 C58.1 C61.1 C87.1 D2.2 D27.2 J12.5 J14.1 J15.3 J20.5 J24.2 JP3.2 R24.1 R25.1 R26.1 R30.1 R32.1 R37.1 R53.2 U15.1 U16.20 U26.7 U26.8 U27.1 U31.5 U33.5
+12V: C14.1 C17.1 C85.1 C89.1 J5.7 J5.8 J6.13 J6.15 J6.17 J10.50 J12.3 J15.2 R28.1
-5V: C56.1 C79.1 D25.1 J10.34 U32.3
-12V: C13.1 C19.1 C78.1 C86.2 C90.1 D4.1 J5.5 J6.9 J10.33 J12.1 J15.1 U32.2
GND: C1.2 C2.2 C3.2 C4.2 C5.2 C6.2 C7.2 C8.2 C9.2 C10.2 C11.2 C12.2 C13.2 C14.2 C15.2 C16.2 C17.2 C18.2 C19.2 C20.2 C21.2 C22.2 C23.2 C24.2 C25.2 C26.2 C27.2 C28.2 C29.2 C30.2 C31.2 C32.2 C33.2 C34.2 C35.2 C36.2 C37.2 C38.2 C39.2 C40.2 C41.2 C42.2 C43.2 C44.2 C45.2 C46.2 C47.2 C48.2 C49.2 C50.2 C51.2 C52.2 C53.2 C54.2 C55.2 C56.2 C57.2 C58.2 C60.2 C61.2 C63.2 C64.2 C65.2 C66.2 C67.2 C68.2 C69.2 C70.2 C71.2 C72.2 C73.2 C74.2 C75.2 C76.2 C77.2 C78.2 C79.2 C80.2 C81.2 C82.2 C83.2 C84.2 C85.2 C86.1 C87.2 C88.2 C89.2 C90.2 C91.2 C92.2 D5.1 D6.1 D7.1 D8.1 D10.1 D11.1 D17.1 D18.1 D19.1 D20.1 D21.1 D22.1 D23.1 D24.1 J2.2 J5.0 J5.1 J5.2 J5.3 J6.1 J6.3 J6.5 J6.7 J9.2 J10.26 J11.8 J12.2 J12.4 J12.6 J12.8 J13.03 J13.05 J13.09 J14.4 J14.5 J15.5 J16.2 J17.5 J18.03 J18.05 J18.09 J20.2 J21.1 J22.0 J22.5 J22.6 J22.7 J22.8 J22.10 J23.0 J23.3 Q1.2 Q2.2 Q3.2 Q4.2 Q5.2 Q6.2 Q7.2 Q10.2 R6.2 R9.2 R19.2 R27.1 R46.2 R49.1 R50.2 R56.2 R75.1 R79.2 R83.1 R87.2 R88.2 RNP3.2 SW1.1 SW4.1 SW5.1 SW6.1 SW7.1 TP34.1 TP35.1 TP36.1 TP37.1 TP38.1 U1.33 U1.75 U2.17 U2.18 U2.39 U3.2 U3.3 U4.10 U5.10 U6.2 U6.16 U6.31 U7.1 U7.18 U8.1 U8.18 U9.1 U9.18 U10.1 U10.18 U11.14 U12.20 U13.10 U14.19 U14.57 U15.2 U16.10 U17.4 U18.8 U19.4 U20.7 U21.7 U22.9 U22.10 U22.19 U23.19 U23.57 U24.2 U25.1 U25.10 U26.1 U26.4 U26.5 U27.6 U28.1 U28.6 U28.7 U28.8 U28.9 U28.10 U29.2 U30.2 U31.2 U32.1 U33.2 U34.2 U35.2 X1.2 Y1.2 Y1.4 Y2.2 Y2.4
/Audio/AUD_SCL: U14.39 U26.2
/Audio/AUD_SDA: U14.38 U26.3
/Audio/DC_Vol: U26.6 U27.4
/Audio/EAR: C62.2 J20.3 J20.4 R50.1
/Audio/HP_Sense: J20.6 R49.2 U14.32 U27.3
/Audio/SCALE_AUD: C59.1 R8.2 R9.1
/Audio/SPKR: R8.1 R10.2 U1.12
/Audio/Vo1: C62.1 J19.1 RNP3.1 U27.5
/Audio/Vo2: J19.2 U27.8
/decoder/~{ROMEN}: R7.2 TP2.1 U1.37 U6.23 U6.25 U25.11
/game_port/CP0: R60.2 U18.15 U21.5
/game_port/CP1: R68.2 U18.14 U20.9
/game_port/CP2: R69.2 U18.13 U21.9
/game_port/CP3: R59.2 U18.12 U20.5
/game_port/PDL0: J11.6 J23.5 R62.1 TP28.1 U21.1
/game_port/PDL1: J11.10 J23.8 R70.1 TP29.1 U20.13
/game_port/PDL2: J11.7 J23.4 R71.1 TP30.1 U21.13
/game_port/PDL3: J11.11 J23.9 R63.1 TP1.1 U20.1
/game_port/STB: J11.5 R20.2
/game_port/SW0_OAPL: D26.1 J11.2 J23.7 R88.1 U18.3
/game_port/SW1_CAPL: D9.1 J11.3 J23.1 R87.1 U18.2
/game_port/SW2: J11.4 J23.6 R92.2 U18.1
/game_port/SW3: J11.9 R93.2 U18.4
/game_port/~{C060-67}: U1.11 U18.7
/game_port/~{PDLTRIG}: TP31.1 U1.10 U20.6 U20.8 U21.6 U21.8
/IWM/7M: U1.78 U11.24 U12.4
/IWM/BA0: J10.2 U1.66 U4.11 U6.11 U11.3 U18.11
/IWM/BA1: J10.3 U1.65 U4.12 U6.10 U11.4 U18.10
/IWM/BA2: J10.4 U1.64 U4.13 U6.9 U11.5 U18.9
/IWM/BA3: J10.5 U1.63 U4.14 U6.8 U11.6
/IWM/BA4: J10.6 U1.62 U4.15 U6.7
/IWM/BA5: J10.7 U1.61 U4.16 U6.6
/IWM/BA6: J10.8 U1.60 U4.17 U6.5
/IWM/BA7: J10.9 U1.59 U4.18 U6.4
/IWM/BA8: J10.10 U1.58 U5.11 U6.29 U25.2
/IWM/BA9: J10.11 U1.57 U5.12 U6.28 U25.3
/IWM/BA10: J10.12 U1.56 U5.13 U6.24 U25.4
/IWM/BA11: J10.13 U1.55 U5.14 U6.27 U25.5
/IWM/BA12: J10.14 U1.54 U5.15 U6.3 U25.6
/IWM/BA13: J10.15 U1.53 U5.16 U6.30 U25.7
/IWM/BA14: J10.16 U1.52 U5.17 U25.8
/IWM/BA15: J10.17 U1.51 U5.18 U25.9
/IWM/bEN1: J4.1 J7.1 J8.1 R14.1
/IWM/bEN2: J4.3 J7.3 J8.3 R18.1
/IWM/bWDATA: J5.19 J6.18 R11.1
/IWM/bWREQ: J5.15 J6.10 R15.1
/IWM/DB19-4: J2.1 J5.4
/IWM/DB19-16: J3.2 J5.16
